# Allegro board RK3588S_Template_LP4XD556P164SD10H2_33X33_2133MHz_H1R0_V10_20220315YWQ.brd (continued)
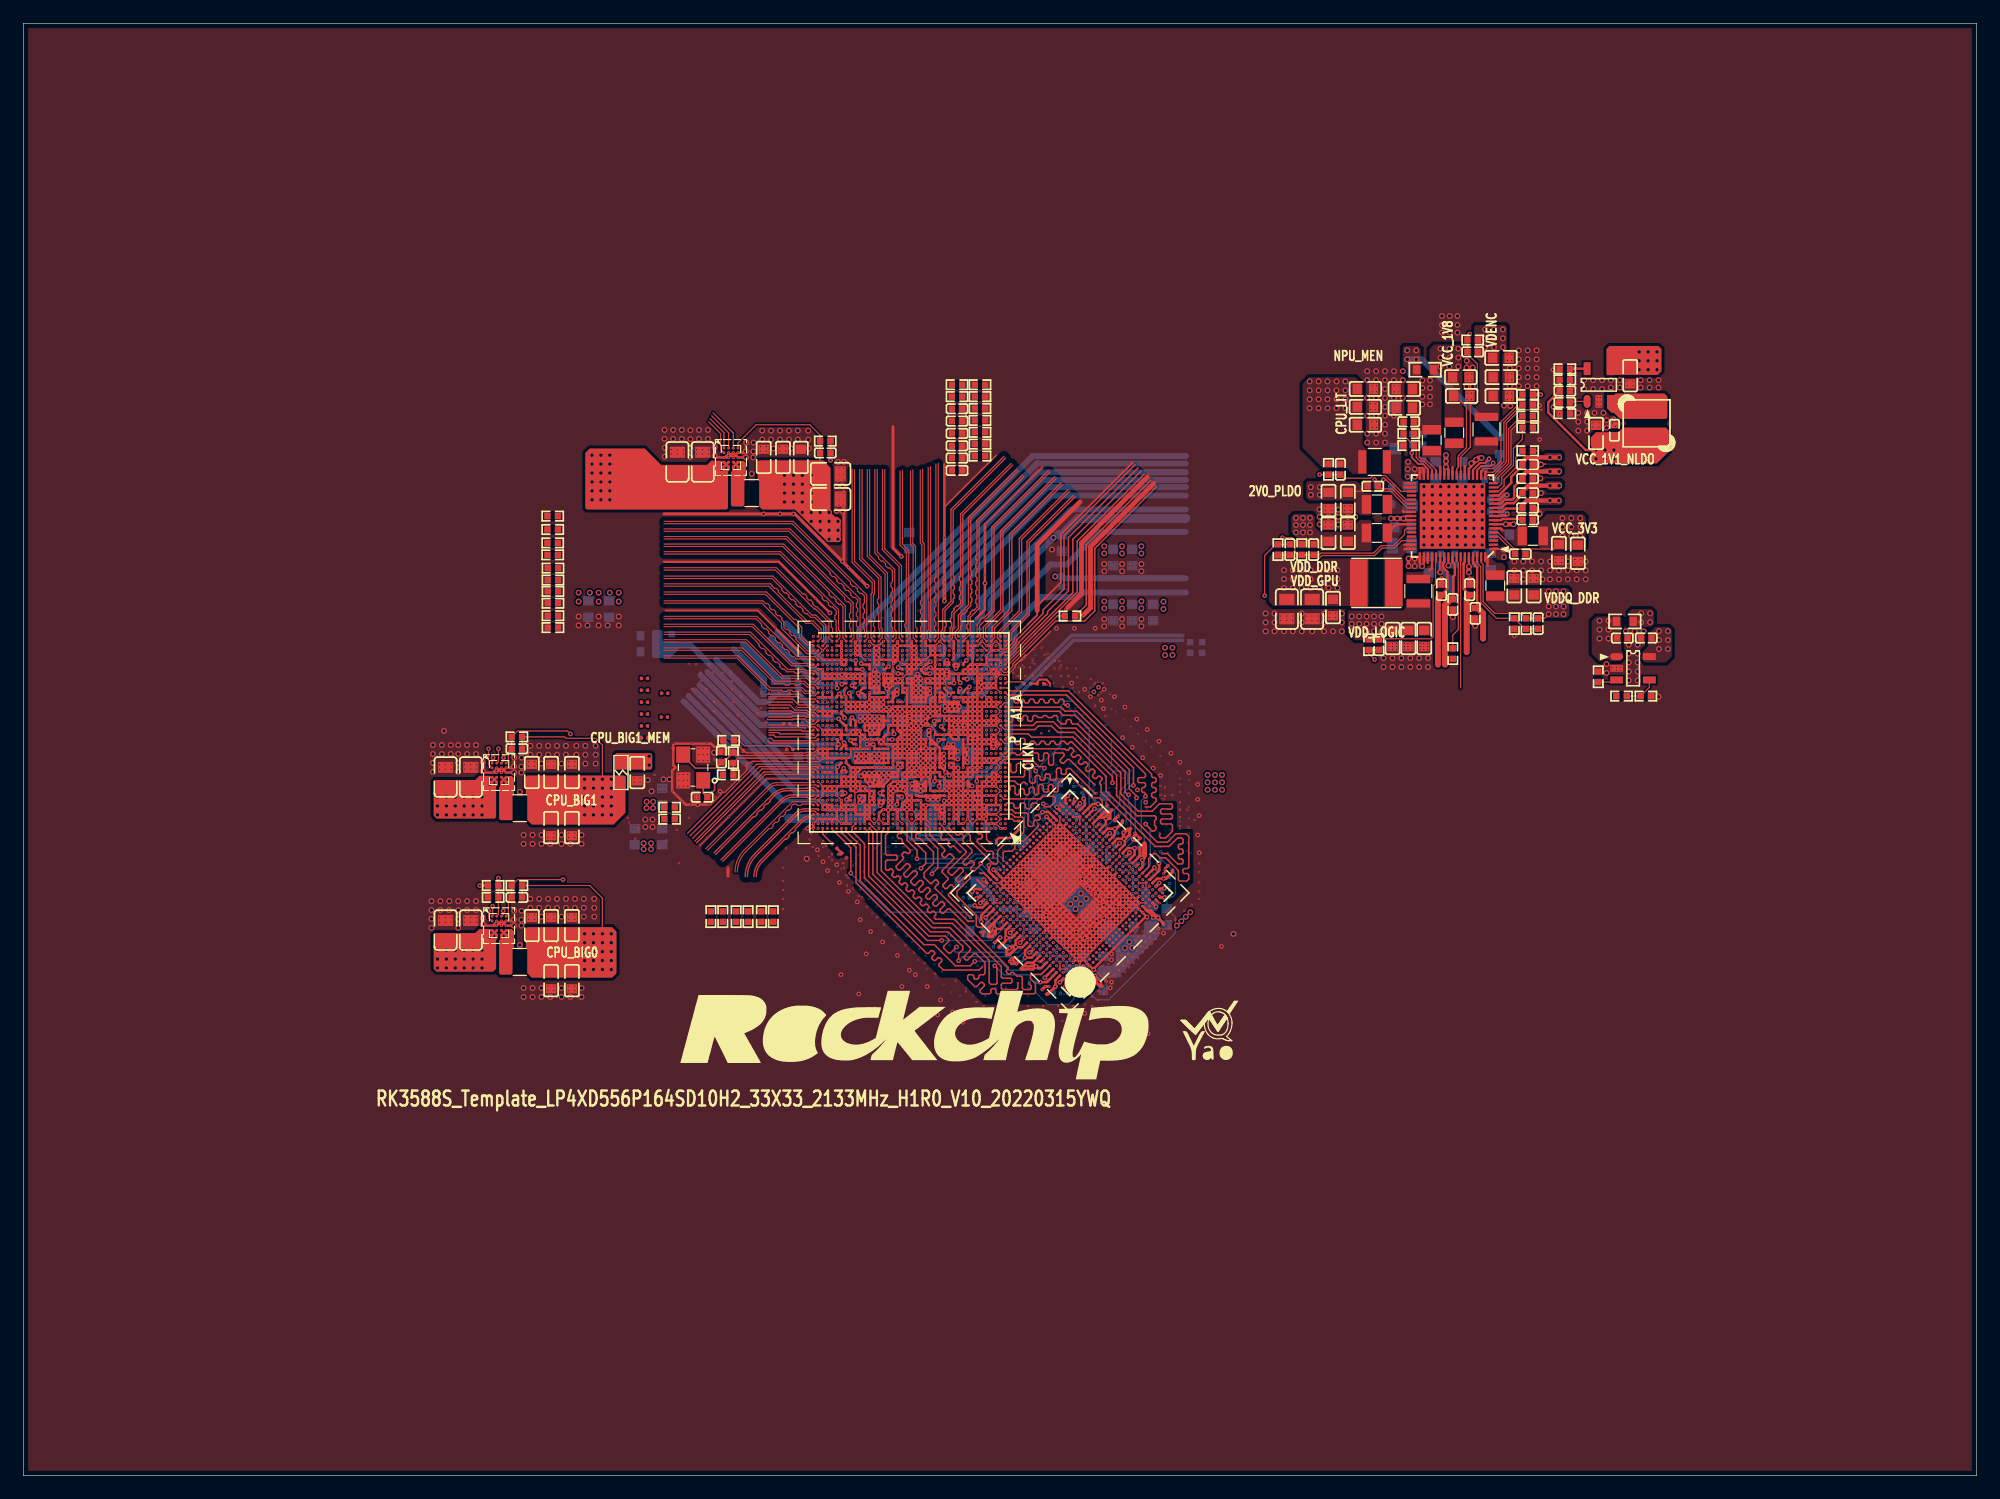
[diagram p0: board, top side]
## Routing (per net, layer and track width the routed paths; a pad name or vN(x,y) marks a point on that pad's centre or on a via; arc(x,y) is an arc through that point) (continued)
  TOP w0.254: v4(69.98,78.11) 70.1,78.23 70.1,84.07 ; v4(69.98,78.11) 65.91,82.17 v4(65.79,82.17) v4(64.64,82.17) v4(63.25,82.17) 54.74,82.17 ; v4(69.98,78.11) v7(70.48,77.6) v7(71.5,76.58) v4(72.09,76) ; v2(93.24,55.93) 93.24,56.05 v7(93.51,56.33) ; v1(60.2,51.94) 60.2,51.23 ; v7(78.69,80.14) v7(78.69,78.99) v7(78.69,77.98) v1(78.69,76.76) ; v4(83.45,45.97) 83.43,45.97 83.31,45.85 83.3,45.85 C3752.2 ; v7(88.84,42.43) v4(88.56,42.15) ; v7(87.63,41.78) v7(87.29,41.78) v7(87.05,41.54) ; v4(75.01,78.54) 74.29,79.25 74.29,89.64 ; v7(96.76,50.35) v4(97.05,50.63)
  TOP w0.305: v4(78.69,74.73) v1(78.69,75.18) v1(78.69,75.56) v1(78.69,75.95) v1(78.69,76.33) v1(78.69,76.76)
  TOP w0.406: 89.22,74.17 90.4,75.35 90.4,79.69 96.03,85.32 ; 90.29,83.2 86.61,79.52 86.61,73.91 ; v1(90.55,73.53) 91.17,74.15 91.17,79.37 96.58,84.78 ; C2251.2 v4(123.57,76.62) ; v4(121.16,76.63) C2249.2
  TOP w0.508: C2253.2 v5(124.04,72.61) ; v5(129.54,82.17) 129.03,82.68 C2263.2 ; C2246.2 v5(122.12,73.36)
  L2-GND1 w0.064: v8(94.11,57.4) 94.13,57.4 95.18,58.46 v4(95.18,58.59) ; v4(80.04,67.74) 80.48,67.74 80.51,67.72 80.78,67.72 80.81,67.74 81.74,67.74 81.76,67.77 v4(81.79,67.77) ; v1(70.14,67.07) 70.08,67.02 70.08,66.52 ; 92.29,54.65 92.53,54.89 v4(92.81,54.89) 92.81,54.61 92.57,54.37 ; v7(71.49,67.7) 70.94,67.15 ; 70.94,67.15 70.74,67.15 70.7,67.19 70.61,67.19 70.56,67.23 70.36,67.23 v1(70.29,67.3) ; 70.94,67.15 70.94,66.76 70.68,66.5 v7(70.29,66.5) ; v7(77.09,69.7) 77.17,69.7 77.42,69.95 ; 86,44.68 85.99,44.69 v4(85.96,44.69) ; 86,44.68 86,44.96 86.24,45.2 ; 86,44.68 86.28,44.68 86.52,44.92 ; 71.68,57.15 71.89,56.94 v1(71.89,56.9) ; 96.43,49.31 96.54,49.2 v8(96.54,49) ; v8(69.44,71.12) 69.49,71.07 v7(69.49,70.9) ; 90.93,56.01 v8(90.93,56.39) 90.64,56.39 90.6,56.34 ; 86.95,44.5 86.95,44.05 v1(86.82,43.92) ; 93.99,52.95 94.23,53.19 94.51,53.19 ; v8(79.28,61.49) 79.34,61.55 80.18,61.55 80.35,61.72 80.4,61.67 80.43,61.7 80.87,61.7 80.93,61.64 ; v1(70.69,65.3) 70.48,65.09 70.48,64.64 70.48,64.63 v8(70.48,64.08) ; 82.14,50.26 81.73,50.67 81.73,51.04 81.79,51.09 81.79,51.21 ; 85.45,46 v7(85.45,45.82) 85.62,45.82 ; v1(83.09,55.7) v7(83.49,55.3) ; v4(94.5,53.23) 94.5,53.2 94.51,53.19 ; 90.03,56.91 90.27,57.15 v4(90.27,57.43) 89.9,57.43 89.7,57.23 ; 84.13,68.29 84.1,68.27 84.1,68.01 83.95,67.86 83.69,67.86 ; v8(80.98,52.46) 81.18,52.66 81.93,52.66 82.15,52.43 82.15,51.4 82.3,51.25 ; 79.17,55.8 79.2,55.8 v7(79.49,56.1) ; v1(72.69,57.3) 72.69,57.25 ; 94.51,53.19 94.51,52.91 94.27,52.67 ; 95.12,51.82 95.3,52 v1(95.3,52.28) 94.66,52.28 ; 93.71,53.23 93.98,53.51 93.98,53.72 v4(93.66,54.04) 93.55,54.04 ; 83.13,48.32 82.95,48.13 v8(82.93,48.13) ; v1(77.89,63.7) 77.89,64.06 78.49,64.66 v8(78.49,64.74) ; v8(87.5,43.18) 87.61,43.18 87.94,43.51 ; 82.05,49.39 v7(82.05,49.22) 82.23,49.22 ; 88.84,42.6 v7(88.84,42.43) 89.01,42.43 ; 84.83,46.62 84.59,46.38 v4(84.3,46.38) 84.3,46.66 84.55,46.9 ; 70.29,61.33 70.54,61.57 70.54,61.84 70.48,61.89 U1000.V34 v7(70.72,62.1) ; v8(69.47,62.99) 69.33,62.85 69.33,62.34 v7(69.09,62.1) ; 74.29,55.7 74.63,56.03 74.64,56.03 74.67,56.06 74.67,56.08 v1(74.68,56.09) 74.68,56.06 74.71,56.03 74.76,56.03 v7(75.09,55.7) ; 85.6,45.34 85.81,45.34 85.96,45.49 ; 93.55,54.04 92.9,54.04 ; 93.55,54.04 93.32,53.81 93.2,53.81 93.16,53.78 ; v8(70.99,64.39) 71.12,64.52 71.12,64.91 71.09,64.94 v1(71.09,65.3) ; 96.05,48.94 96.48,48.94 v8(96.54,49) ; v1(75.89,56.9) 76.2,56.59 ; 77.4,70.33 77.59,70.33 77.73,70.2 77.73,70 77.72,70 77.72,69.9 ; v8(96.54,49) 96.54,48.88 96.44,48.78 96.44,48.16 v4(96,47.72) ; v7(73.49,55.7) v7(73.09,56.1) v7(72.69,55.7) ; 83.41,48.03 83.41,48.03 v8(83.41,47.5) 83.44,47.5 83.7,47.75 ; 67.94,64.03 68.28,63.7 v7(68.29,63.7) ; 96.9,49.5 96.62,49.5 ; v8(70.08,63.98) 69.73,64.33 69.4,64.33 69.33,64.41 69.33,64.6 69.09,64.83 v7(69.09,64.9) ; 82.11,62.72 82.1,62.71 82.48,62.71 v8(82.5,62.68) ; v4(85.15,45.53) 85.15,46.29 ; v7(68.29,70.5) v7(68.69,70.9) ; 95.83,51.1 96.58,51.1 v4(97.05,50.63) 96.76,50.63 96.53,50.4 ; 78.54,69.55 78.69,69.39 v8(78.69,69.3) ; v7(83.49,66.9) 83.47,66.9 ; 95.4,51.54 95.55,51.69 v8(95.91,51.69) ; 73,56.87 73,56.95 ; v8(69.53,72.07) 69.89,71.71 v7(69.89,71.3) ; 91.44,55.5 91.79,55.85 92.08,55.85 v1(91.93,55.7) 91.93,55.65 92.08,55.5 92.08,54.99 92.01,54.93 ; 97.05,50.35 96.82,50.12 ; v1(80.29,55.7) v1(80.69,56.1) ; 67.97,69.37 67.97,69.38 v7(68.29,69.7) 68.29,69.71 67.89,70.1 ; v7(87.15,44.13) 87.32,44.13 ; v1(73.49,56.9) 73.05,56.9 ; 76.25,56.29 76.2,56.29 76.15,56.24 76.15,55.98 75.89,55.72 v7(75.89,55.7)
  L2-GND1 w0.066: 95.08,51.22 95.05,51.22 94.7,51.56 94.7,51.56 ; 95.08,51.22 95.15,51.15 95.15,51.12 95.27,51 95.29,51 95.36,50.93 ; 95.08,51.22 94.78,50.92 ; 95.08,51.22 95.4,51.54 ; 92.01,54.93 91.88,54.79 91.87,54.79 91.69,54.61 ; 84.04,49.23 84.03,49.23 83.77,49.49 83.74,49.49 ; 84.04,49.23 84.04,49.21 84.32,48.93 ; 84.04,49.23 84.32,49.5 v7(84.6,49.5) ; 84.04,49.23 83.75,48.94 ; 85.17,48.09 84.93,48.32 84.93,48.41 ; 85.17,48.09 84.97,47.89 84.97,47.88 84.88,47.8 ; 85.17,48.09 v1(85.45,48.09) 85.45,47.81 ; 95.36,50.93 95.36,50.65 v2(95.35,50.63) ; 95.36,50.93 95.07,50.63 ; 95.36,50.93 95.38,50.93 95.56,51.1 95.83,51.1 ; v7(89.97,54.31) 89.97,54.59 90.26,54.88 ; 87.71,45.54 87.91,45.34 87.91,45.31 87.98,45.24 ; 87.71,45.54 87.43,45.26 ; 87.71,45.54 v7(87.71,45.82) 87.43,45.82 87.15,45.54 ; 87.71,45.54 88,45.82 v7(88.28,45.82) ; v7(87.15,45.26) 86.86,45.26 ; v7(87.15,45.26) 87.15,45.54 ; v7(87.15,45.26) 87.43,45.26 ; v7(87.15,45.26) 87.15,44.97 ; 86.86,45.26 86.52,44.92 ; 86.86,45.26 86.58,45.54 ; 89.98,55.72 v2(90.26,55.72) ; 89.98,55.72 90.26,56.01 ; 89.98,55.72 89.71,55.45 ; 89.98,55.72 90.26,55.44 ; 89.98,55.72 89.69,56.01 ; v2(90.26,55.72) 90.54,55.72 90.87,55.4 ; v2(90.26,55.72) 90.26,55.44 ; v2(90.26,55.72) 90.26,56.01 ; 94.79,50.36 94.77,50.36 94.5,50.63 94.5,50.63 ; 94.79,50.36 94.72,50.29 94.72,50.29 94.5,50.07 v7(94.22,50.07) 94.22,50.35 94.5,50.63 ; 94.79,50.36 94.79,50.34 94.98,50.15 ; 94.79,50.36 95.06,50.63 ; 94.27,52.67 93.93,52.33 ; v7(91.67,54.31) 91.67,54.03 ; v7(91.67,54.31) 91.67,54.55 91.69,54.57 ; v7(91.67,54.31) 91.95,54.31 ; v7(91.67,54.31) 91.39,54.31 ; 91.67,54.03 91.39,53.74 ; 91.67,54.03 91.95,53.74 ; 91.67,54.03 91.39,54.31 ; 92.23,52.89 92.15,52.97 92.15,52.98 91.95,53.18 ; 92.23,52.89 92.24,52.89 92.8,52.33 ; 92.23,52.89 92.44,53.1 ; 92.23,52.89 92.04,52.7 ; 89.14,43.57 89.07,43.65 89.04,43.65 88.84,43.84 v2(88.56,43.84) ; 89.14,43.57 89.13,43.56 v7(89.13,43.28) ; 89.14,43.57 89.39,43.83 ; 94.78,50.92 95.06,50.63 ; 94.78,50.92 v7(94.5,50.92) ; 95.06,50.63 95.07,50.63 ; 91.38,54.88 91.65,54.61 91.69,54.61 ; 91.38,54.88 91.11,55.16 ; 91.38,54.88 91.38,54.87 91.14,54.62 91.07,54.62 ; v2(95.35,50.63) 95.35,50.35 ; v2(95.35,50.63) v1(95.91,50.63) v7(95.91,50.07) ; v2(95.35,50.63) 95.07,50.63 ; 88.28,43.84 88,44.12 88,44.14 ; 88.28,43.84 v2(88.56,43.84) ; 88.28,43.84 87.94,43.51 ; 87.15,44.97 86.95,44.78 86.95,44.5 ; 87.15,44.97 87.34,44.78 87.51,44.78 87.72,44.99 ; 93.37,51.76 93.08,52.05 ; 93.37,51.76 93.65,52.05 ; 93.37,51.76 v7(93.37,51.48) 93.65,51.48 ; 93.08,52.05 93.37,52.33 ; 93.08,52.05 v7(92.8,52.05) 92.8,52.33 ; 96.62,49.5 v7(96.48,49.5) 96.48,49.74 ; 92.8,53.46 92.85,53.46 93.16,53.78 ; 92.8,53.46 92.8,53.46 92.72,53.38 ; 92.8,53.46 92.72,53.54 ; v7(90.26,43.84) 90.26,43.56 89.97,43.28 ; 82.62,49.5 v7(82.9,49.5) ; 82.62,49.5 82.34,49.22 82.23,49.22 ; 82.62,49.5 82.34,49.78 ; v7(82.9,49.5) 82.9,49.78 ; v7(82.9,49.5) 83.18,49.5 ; v7(90.54,54.88) 90.82,54.88 ; v7(90.54,54.88) 90.54,54.59 ; v7(90.54,54.88) 90.54,55.16 ; v7(90.54,54.88) 90.26,54.88 ; 90.82,54.88 91.07,54.62 ; 90.82,54.88 91.11,55.16 ; 94.5,50.63 v7(94.5,50.92) ; 93.93,52.33 v7(93.93,52.05) ; 93.93,52.33 93.65,52.61 ; 90.26,56.01 90.6,56.34 ; 90.26,56.01 v1(90.26,56.29) v7(89.69,56.29) ; 89.39,43.83 89.41,43.84 v1(89.69,43.84) 89.69,43.56 89.68,43.55 ; 89.39,43.83 89.39,43.86 89.19,44.07 89.19,44.19 89.41,44.41 v7(89.41,44.69) ; 89.69,56.57 89.37,56.9 ; 89.69,56.57 90.03,56.91 ; 89.69,56.57 v7(89.69,56.29) ; 89.37,56.9 89.15,56.9 ; 89.37,56.9 89.45,56.9 89.7,57.15 89.7,57.23 ; v2(83.47,48.94) 83.47,48.65 ; v2(83.47,48.94) 83.75,48.94 ; v2(83.47,48.94) 83.47,49.22 ; 83.47,48.65 83.13,48.32 ; 83.47,48.65 83.71,48.41 83.79,48.41 ; 92.52,53.74 92.81,54.04 92.9,54.04 ; 92.52,53.74 92.72,53.54 ; 92.52,53.74 v7(92.24,53.74) ; 89.69,56.01 89.41,55.72 ; 89.69,56.01 v7(89.69,56.29) ; 84.65,48.13 84.55,48.13 84.4,48.29 ; 84.65,48.13 84.93,48.41 ; 84.65,48.13 84.65,48.03 84.68,48 84.68,48 84.8,47.89 84.8,47.88 84.88,47.8 ; 84.65,48.13 84.4,47.89 84.4,47.72 84.52,47.61 84.6,47.61 84.6,47.6 84.6,47.52 ; 89.68,43.55 89.75,43.48 89.77,43.48 89.97,43.28 ; 89.68,43.55 89.41,43.28 ; 84.93,48.41 84.84,48.41 84.6,48.65 ; 84.93,48.41 85.17,48.65 v7(85.45,48.65) ; 96.48,49.79 96.2,50.07 ; 96.48,49.79 96.48,49.74 ; 96.48,49.79 96.82,50.12 ; 96.2,50.07 96.53,50.4 ; 96.2,50.07 v7(95.91,50.07) ; 83.74,49.49 83.74,49.52 83.47,49.79 ; 83.74,49.49 83.47,49.22 ; 83.74,49.49 84.04,49.78 v7(84.32,49.78) ; 89.41,56.29 89.13,56.57 ; 89.41,56.29 89.13,56.01 ; 89.41,56.29 v7(89.69,56.29) ; 89.13,56.57 88.84,56.29 ; 89.13,56.57 v7(89.13,56.86) ; 83.75,48.94 83.75,48.94 ; 83.75,48.94 83.47,49.22 ; 83.75,48.94 84.04,48.65 ; 96.05,48.94 v7(95.91,48.94) 95.91,49.22 ; 84.88,47.8 v7(84.88,47.52) ; 89.71,55.45 89.71,55.43 89.97,55.17 89.97,55.15 ; 89.71,55.45 89.68,55.45 89.41,55.72 ; 89.71,55.45 89.41,55.16 v7(89.41,54.88) ; 90.78,55.4 91.11,55.73 91.11,55.82 90.93,56.01 ; 90.78,55.4 90.54,55.16 ; 90.78,55.4 90.87,55.4 ; 86.01,46.67 86.02,46.67 86.58,46.11 ; 86.01,46.67 85.93,46.75 85.93,46.76 85.73,46.96 ; 86.01,46.67 85.45,46.11 85.45,46 ; 86.01,46.67 86.58,47.24 v7(86.58,47.52) ; 91.39,53.74 91.67,53.46 ; 91.39,53.74 v1(91.11,53.74) 91.11,54.03 ; 89.97,43.28 v7(90.26,43.28) ; 89.97,43.28 89.69,43 ; 86.58,45.54 v7(86.58,45.82) ; 86.58,45.54 86.24,45.2 ; v7(86.58,45.82) 86.86,45.82 ; v7(86.58,45.82) 86.58,46.11 ; v7(86.58,45.82) 86.3,45.82 ; 82.9,50.35 83.19,50.07 ; 82.9,50.35 82.62,50.07 ; 82.9,50.35 v1(82.9,50.63) ; 83.19,50.07 82.9,49.78 ; 83.19,50.07 v7(83.47,50.07) 83.47,49.79 ; v7(84.88,47.52) 84.88,47.24 ; v7(84.88,47.52) 84.6,47.52 ; v7(84.88,47.52) 85.16,47.52 ; 83.79,48.41 83.41,48.03 ; 83.79,48.41 83.83,48.37 83.83,48.29 83.99,48.13 84.08,48.13 ; 83.79,48.41 83.95,48.57 83.95,48.57 84.04,48.65 ; 91.69,54.61 91.39,54.31 ; 91.69,54.61 91.69,54.57 ; 91.39,54.31 91.11,54.03 ; 91.39,54.31 91.07,54.62 ; 95.91,49.78 95.63,49.5 ; 95.91,49.78 96.24,49.45 96.29,49.45 96.43,49.31 ; 95.91,49.78 95.91,49.79 ; 95.63,49.5 95.91,49.22 95.91,49.22 ; 95.63,49.5 v1(95.35,49.5) 95.35,49.78 ; 91.11,55.16 90.87,55.4 ; 91.11,55.16 91.44,55.5 ; 84.04,48.65 84.23,48.45 84.23,48.29 ; 84.04,48.65 84.04,48.65 ; 88.84,56.29 89.13,56.01 ; 88.84,56.29 v1(88.56,56.29) ; 89.13,56.01 v7(89.13,55.72) 89.41,55.72 ; 84.23,48.29 84.32,48.37 ; 84.23,48.29 84.23,48.29 84.4,48.29 ; 84.23,48.29 84.08,48.13 ; 89.97,55.15 90.26,55.44 ; 89.97,55.15 89.69,54.87 v7(89.69,54.59) ; 89.97,55.15 89.98,55.15 90.26,54.88 ; 90.26,55.44 90.26,55.44 ; 90.26,55.44 90.54,55.16 ; 91.69,54.57 91.95,54.31 ; 93.09,52.61 v7(93.37,52.61) ; 93.09,52.61 92.8,52.33 ; 93.09,52.61 92.6,53.1 ; v7(93.37,52.61) 93.37,52.89 93.71,53.23 93.56,53.38 93.26,53.38 93.09,53.2 93.09,53.18 92.89,52.98 92.24,52.33 v7(91.95,52.33) 91.95,52.61 92.04,52.7 ; v7(93.37,52.61) 93.37,52.33 ; v7(93.37,52.61) 93.65,52.61 ; 93.65,52.05 93.7,52.05 ; 93.65,52.05 93.37,52.33 ; 93.7,52.05 v7(93.93,52.05) ; 93.7,52.05 93.93,51.82 ; v7(84.32,48.65) 84.32,48.37 ; v7(84.32,48.65) 84.32,48.93 ; v7(84.32,48.65) 84.04,48.65 ; v7(84.32,48.65) 84.6,48.65 ; 84.32,48.37 84.32,48.37 84.4,48.29 ; 92.72,53.38 92.6,53.26 ; 92.72,53.38 92.72,53.54 ; 92.6,53.26 92.58,53.24 92.58,53.12 ; 92.6,53.26 92.6,53.26 92.44,53.1 ; 87.72,44.99 87.72,44.96 87.99,44.69 ; 87.72,44.99 87.98,45.24 ; 87.72,44.99 87.66,45.06 87.63,45.06 87.43,45.26 ; v7(85.45,46.96) 85.45,46.67 ; v7(85.45,46.96) 85.16,46.96 ; v7(85.45,46.96) 85.73,46.96 ; v7(85.45,46.96) 85.45,47.23 ; 85.45,46.67 85.15,46.38 85.15,46.29 ; 85.45,46.67 85.45,46.67 86.3,45.82 ; 87.99,44.69 87.75,44.45 ; 87.99,44.69 v7(88.28,44.69) ; 87.75,44.45 87.43,44.13 87.32,44.13 ; 87.75,44.45 87.75,44.36 87.79,44.33 87.79,44.33 87.98,44.14 88,44.14 ; 85.62,45.82 85.73,45.82 86.86,46.96 v7(86.86,47.24) ; 94.86,51.56 94.86,51.56 94.7,51.56 ; 94.86,51.56 94.5,51.2 ; 94.86,51.56 95.12,51.82 ; 82.62,50.07 82.9,49.78 ; 82.62,50.07 v7(82.34,50.07) ; 85.45,47.23 85.36,47.32 85.36,47.32 85.25,47.44 85.24,47.44 85.16,47.52 ; 85.45,47.23 85.53,47.32 85.53,47.32 85.65,47.44 85.65,47.44 85.74,47.52 ; 95.11,50.13 95.13,50.13 95.26,50.26 95.26,50.27 95.35,50.35 ; 95.11,50.13 95,50.13 94.98,50.15 ; 95.11,50.13 95.11,50.11 94.78,49.78 v7(94.5,49.78) ; 95.63,50.07 95.35,50.35 ; 95.63,50.07 95.35,49.78 ; 95.63,50.07 v7(95.91,50.07) ; 95.63,50.07 95.91,49.79 ; 91.07,54.62 91.02,54.57 91.02,54.51 90.9,54.39 90.84,54.39 90.79,54.34 ; v7(92.24,53.74) 92.24,54.03 92.56,54.35 92.57,54.35 92.57,54.37 ; v7(92.24,53.74) 91.95,53.74 ; v7(92.24,53.74) 92.24,53.46 ; 88,44.14 87.7,43.83 v8(87.7,43.78) ; 88,44.14 88.28,44.41 ; 91.95,53.18 v1(91.67,53.18) 91.67,53.46 ; 91.95,53.18 92.24,53.46 ; 87.98,45.24 88.05,45.17 88.08,45.17 88.27,44.98 88.28,44.98 ; 87.98,45.24 88.28,45.54 v7(88.56,45.54) 88.56,45.26 88.28,44.98 ; 94.98,50.15 95.35,49.78 ; 94.48,51.74 94.53,51.74 94.7,51.56 ; 94.48,51.74 94.48,51.79 94.21,52.05 ; 94.48,51.74 94.3,51.56 ; v7(94.5,50.92) 94.5,51.2 ; v7(94.5,50.92) 94.22,50.92 93.95,51.19 93.92,51.19 ; 85.73,46.96 86.01,47.24 v1(86.01,47.52) 85.74,47.52 ; 92.24,53.46 92.58,53.12 ; 91.95,53.74 91.67,53.46 ; 82.14,50.26 v7(82.34,50.07) ; v7(82.34,50.07) 82.34,49.78 ; 87.15,45.54 86.86,45.82 ; 96.48,49.74 96.15,49.42 96.11,49.42 95.91,49.22 ; 88.28,44.98 v7(88.28,44.69) ; 88.83,44.4 88.76,44.47 88.76,44.49 88.56,44.69 88.56,44.69 ; 88.83,44.4 88.56,44.13 ; 88.83,44.4 89.13,44.69 v7(89.13,44.98) 88.84,44.98 88.56,44.69 ; 85.16,46.96 84.88,47.24 ; 85.16,46.96 84.83,46.62 ; 84.88,47.24 84.55,46.9 ; 93.92,51.19 93.65,50.92 v7(93.37,50.92) ; 93.92,51.19 94.13,51.4 94.3,51.4 ; 93.92,51.19 93.65,51.46 93.65,51.48 ; 86.58,46.11 86.86,46.39 v7(87.15,46.39) 87.15,46.11 86.86,45.82 ; 89.69,43 89.41,43.28 89.41,43.28 ; 89.69,43 v7(89.69,42.71) 89.41,42.71 ; 90.79,54.34 90.93,54.2 90.93,54.2 91.11,54.03 ; 90.79,54.34 90.54,54.59 ; 90.79,54.34 90.79,54.28 90.54,54.03 v7(90.26,54.03) 90.26,54.31 90.54,54.59 ; v2(88.56,43.84) 88.56,44.13 ; 92.44,53.1 92.6,53.1 ; 93.99,52.95 93.65,52.61 ; 94.5,51.2 94.3,51.4 ; 91.95,54.31 92.29,54.65 ; 92.04,52.7 91.59,52.7 v1(91.39,52.9) ; 82.34,49.78 82.05,49.5 82.05,49.39 ; 92.6,53.1 92.58,53.12 ; 85.16,47.52 85.24,47.61 85.25,47.61 85.36,47.72 85.36,47.73 85.45,47.81 ; 83.7,47.75 84.08,48.13 ; v7(89.13,43.28) 89.13,43 ; v7(89.13,43.28) 89.41,43.28 ; 89.13,43 88.84,42.71 88.84,42.6 ; 89.13,43 89.41,42.71 ; v7(95.91,50.07) 95.91,49.79 ; 93.93,51.82 v7(93.93,52.05) ; 93.93,51.82 93.93,51.77 ; v7(93.93,52.05) 94.21,52.05 ; 83.47,49.22 83.18,49.5 ; v7(88.28,44.69) 88.56,44.69 ; v7(88.28,44.69) 88.28,44.41 ; 89.41,42.71 89.13,42.43 89.01,42.43 ; v7(84.88,49.22) 84.6,49.22 84.32,48.93 ; 88.28,44.41 88.56,44.13 ; 84.6,47.52 84.52,47.44 84.52,47.44 84.4,47.32 84.4,47.32 83.57,46.48 83.57,46.23 ; 93.65,51.48 93.93,51.77 ; 90.54,54.59 90.26,54.88 ; 86.3,45.82 85.96,45.49 ; 83.47,49.79 83.18,49.5 ; v7(85.17,48.94) 84.88,48.94 84.6,48.65 ; 94.3,51.4 94.3,51.56 ; 94.3,51.56 94.14,51.56 93.93,51.77 ; 85.45,47.81 85.45,47.77 85.5,47.72 85.53,47.72 85.65,47.6 85.65,47.58 85.7,47.52 85.74,47.52 ; 94.21,52.05 94.45,52.28 94.66,52.28
  L2-GND1 w0.076: 79.6,67.31 79.91,67.61 79.91,67.67 ; 72.69,57.25 73.05,56.9 ; 71.22,57.1 71.27,57.15 71.68,57.15 ; 78.54,69.55 78.54,69.86 78.56,69.88 ; v8(79.65,48.64) 80.27,48.64 81.7,50.07 v7(82.34,50.07)
  L2-GND1 w0.102: 70.29,61.35 v1(70.29,61.3) ; v1(72.29,60.5) 72.32,60.53 72.32,62.07 v1(72.29,62.1) 72.3,62.1 v8(72.9,62.1) ; v7(76.69,56.5) 76.6,56.59 76.2,56.59 ; 77.42,58.16 77.15,58.16 ; 96.9,49.4 96.94,49.4 97.32,49.02 97.32,48.98 98.04,48.26 v1(99.19,48.26) ; v1(91.31,40.13) 91.31,40.67 89.69,42.29 v7(89.69,42.71) ; 79.25,69.44 79.3,69.49 79.3,69.59 79.28,69.61 79.28,69.73 79.3,69.76 79.3,69.85 ; 70.41,67.81 70.41,67.35 ; 70.41,67.35 v1(70.14,67.07) ; 70.41,67.35 70.44,67.35 ; 77.07,66.78 v8(77.07,67.06) 77.07,67.3 v8(77.06,67.31) 77.06,67.67 v7(77.09,67.7) ; v1(83.09,58.9) 83.49,58.5 v7(83.49,58.5) 83.95,58.5 84.1,58.65 ; 76.4,59.28 76.3,59.18 76.3,58.5 76.2,58.39 ; v8(90.27,59.87) 90.24,59.83 90.24,57.47 v4(90.27,57.43) ; 78.29,65.83 v1(78.29,65.7) ; v7(73.89,58.5) 73.89,58.7 72.97,59.61 v8(72.47,59.61) ; v8(80.24,62.12) 80.24,62.05 80.22,62.03 80.24,62 80.24,61.5 80.23,61.49 80.23,61.2 80.24,61.19 80.24,60.88 80.22,60.85 80.24,60.83 80.12,60.71 80.04,60.71 v8(80.01,60.73) ; v8(81.1,51.56) 81.45,51.21 81.88,51.21 81.92,51.25 82.37,51.25 v4(82.89,51.78) ; 84.1,58.65 84.1,58.49 84.39,58.19 84.43,58.19 ; 84.1,58.65 84.12,58.67 84.12,59.03 83.95,59.21 ; 83.09,60.06 v1(83.09,60.1) v7(83.49,60.5) ; v7(73.89,58.9) 73.89,58.95 ; v8(77.77,61.9) 77.83,61.95 77.83,61.98 77.93,62.08 79.09,62.08 v8(79.28,61.89) 79.31,61.89 79.78,62.36 v8(80.01,62.36) ; v1(82.29,66.5) 82.29,66.51 v1(81.89,66.9) v1(82.29,67.3) ; 84.48,60.45 84.64,60.3 ; v1(83.08,64.92) 83.11,64.95 83.14,64.95 v7(83.49,65.3) ; 86,67.47 85.62,67.47 84.79,68.3 84.79,68.53 ; v8(81.41,47.12) 81.41,47.41 82.04,48.04 82.33,48.04 82.9,48.61 v1(82.9,48.94) ; v7(83.5,61.29) 83.5,61.69 v7(83.09,62.1) ; v1(73.89,66.5) 73.97,66.42 75.01,66.42 v7(75.49,66.9) ; 74.12,69.77 74.07,69.82 73.76,69.82 ; v4(95.88,57.53) 95.88,57.53 95.52,57.89 95.52,58.25 v4(95.18,58.59) ; v1(71.49,63.7) 71.87,64.08 73.35,64.08 73.41,64.14 ; v1(74.29,57.7) 74.45,57.86 74.65,57.86 74.98,57.53 75.32,57.53 v1(75.49,57.7) ; 79.13,60.39 79.03,60.49 78.31,60.49 78.29,60.47 78.26,60.5 78.24,60.47 ; v1(83.09,63.3) v7(83.49,63.7)
  L2-GND1 w0.152: v7(82.9,49.5) v1(82.9,48.94) v2(83.47,48.94) ; 77.07,66.78 77.07,66.63 77.06,66.62 ; v4(97.05,50.63) 97.05,50.05 97.33,49.77 99.96,49.77 v1(100.46,49.28) ; v4(90.68,39.5) 89.39,40.78 89.39,41.9 89.17,42.12 89.16,42.12 v7(88.84,42.43) ; v8(90.17,42.65) 90.26,42.74 v7(90.26,43.28) ; v7(89.13,43.28) v1(88.56,43.28) v2(88.56,43.84)
  L3-S1 w0.064: 78.74,49.45 78.82,49.53 79.12,49.53 ; v2(75.11,66.9) 75.11,66.71 75.62,66.2 v2(75.62,66.16) ; 85.36,42.33 86.05,42.33 v8(86.08,42.29) 86.21,42.29 v2(86.36,42.14) 86.55,42.33 86.57,42.33 86.77,42.52 ; 85.36,42.33 v8(85.27,42.42) 85.18,42.33 ; 85.36,42.33 85.18,42.33 ; 97.54,57.53 v8(97.54,56.9) 97.54,56.01 v8(97.41,55.88) 97.28,55.75 v8(96.91,55.75) 96.85,55.69 96.85,55.14 ; 97.54,57.53 97.54,57.78 ; 97.54,57.53 v8(97.66,57.66) 97.54,57.78 ; v8(70.08,63.98) 70,63.98 69.63,64.36 69.52,64.36 69.34,64.54 69.34,64.8 70.24,65.7 v1(70.29,65.7) ; 84.71,68.31 v1(84.96,68.31) v1(85.6,68.31) v1(86.23,68.31) ; v2(97.59,54.48) 97.82,54.48 v8(97.92,54.38) v8(97.92,54.74) ; 77.03,50.25 80.26,47.01 v8(80.26,46.99) 80.29,46.99 80.84,46.44 82.26,46.44 v8(82.42,46.61) 82.42,46.73 82.49,46.79 ; v8(88.02,66.16) 88.02,66.17 ; 88.02,66.17 87.94,66.25 v2(87.73,66.25) 87.81,66.17 88.02,66.17 ; 85.27,56.82 85.21,56.82 ; 85.27,56.82 v8(85.24,56.85) 85.21,56.82 ; 85.27,56.82 85.68,56.82 ; 85.21,56.82 84.85,56.82 84.58,57.09 84.58,58.04 v8(84.33,58.29) v8(84.07,58.55) ; v2(70.2,51.59) 70.2,51.84 v1(70.1,51.94) 70.1,52.3 v1(70.08,52.32) 70.1,52.35 70.1,52.5 v2(70.22,52.61) ; v8(92.84,58.8) v2(93.09,58.55) 92.94,58.55 v8(92.81,58.42) ; v2(85.65,57.64) 85.57,57.72 85.57,57.88 84.18,59.26 83.53,59.26 ; v2(85.65,57.64) 85.72,57.72 v8(85.72,57.94) ; v2(85.65,57.64) 85.83,57.46 85.83,56.88 ; 85.83,56.88 85.76,56.82 85.68,56.82 ; 85.83,56.88 85.83,56.87 v8(85.72,56.77) 85.68,56.82 ; 96.85,55.14 v8(96.82,55.12) v8(96.82,54.36) v8(96.82,53.72) 96.82,53.16 ; 96.85,55.14 96.85,53.14 ; v1(83.09,71.3) 82.8,71.01 82.8,70.61 ; v2(75.84,51.28) 75.69,51.44 v8(75.69,51.56) ; v8(74.29,49.62) 74.29,49.78 v8(74.24,49.83) ; v8(74.29,49.62) 73.97,49.62 ; v8(74.29,49.62) 74.24,49.67 74.03,49.67 ; v8(75.34,52.45) 75.34,52.2 v2(75.39,52.15) 75.39,51.91 75.48,51.82 ; v3(81.53,43.56) 81.77,43.79 v2(81.77,43.81) 81.79,43.84 v8(81.79,44.2) ; 85.18,42.33 84.72,42.33 v8(84.62,42.42) 84.55,42.35 84.55,41.76 84.29,41.49 82.36,41.49 82.09,41.76 82.09,42.49 v8(82.02,42.56) 81.91,42.67 v8(81.34,42.67) 81.34,42.86 81.1,43.1 80.93,43.1 80.52,43.51 v2(80.3,43.51) 80.4,43.61 80.4,45.09 79.82,45.67 79.05,45.67 78.99,45.74 78.99,45.81 v2(78.96,45.83) ; v2(87.12,67.44) 87.3,67.44 87.4,67.54 v1(87.4,67.56) ; v8(84.07,58.55) 84.07,58.47 84.35,58.19 ; v8(84.07,58.55) 83.95,58.67 83.34,58.67 83.14,58.88 ; v8(84.07,58.55) 84.07,58.62 84.1,58.65 ; 83.53,59.26 83.47,59.26 ; 83.53,59.26 v1(83.49,59.3) U1000.L3 v1(83.09,59.3) 82.76,59.3 v1(82.76,59.31) 82.3,59.31 v1(82.29,59.3) ; 74.09,49.74 74.19,49.83 v8(74.24,49.83) ; 74.09,49.74 74.15,49.74 v8(74.24,49.83) ; 74.09,49.74 74.03,49.67 ; v2(95.12,57.4) 95.12,57.28 v8(95.28,57.12) ; v2(74.98,50.8) 74.85,50.92 74.85,51.25 ; 97.54,57.78 v1(97.54,58.07) 97.01,58.59 97.01,58.78 v1(97.16,58.93) v4(97.16,59.81) ; v8(90.04,61.85) 90.25,61.65 v2(90.25,61.47) ; v2(89.44,66.78) 89.28,66.78 v8(89.15,66.65) ; 73.97,49.62 v2(73.91,49.56) ; 73.97,49.62 74.03,49.67 ; 86.74,60.45 86.96,60.23 v2(86.96,60.03) ; v2(84.43,71.12) 84.24,70.93 83.82,70.93 83.5,70.61 82.8,70.61 ; v1(86.23,69.47) 86.27,69.43 87.14,69.43 87.2,69.49 v2(87.2,69.72) ; v8(80.44,47.75) 80.44,47.65 80.66,47.43 ; v8(80.44,47.75) 80.66,47.97 ; v8(80.44,47.75) 80.44,48.25 ; v8(77.98,45.8) 77.93,45.75 77.31,45.75 v8(77.22,45.85) ; v2(73.79,64.24) 73.77,64.21 73.41,64.14 ; v2(86.96,60.03) 86.87,60.13 86.87,60.39 v8(86.81,60.45) 86.71,60.55 86.16,60.55 v2(86.05,60.44) ; v2(86.96,60.03) 87.53,60.03 ; v2(86.96,60.03) 87.05,59.94 v8(87.26,59.94) 87.44,59.94 87.53,60.03 ; v1(88.09,68.96) 88.31,69.19 v2(88.31,69.22) ; v2(87.09,55.63) 87.09,55.28 v8(87.12,55.24) ; v8(77.18,48.75) 76.98,48.95 v2(76.76,48.95) 76.73,48.95 v8(76.5,48.71) ; v2(81.22,44.98) 81.2,44.96 v8(80.9,44.96) ; v2(73.55,68.12) 73.55,68.12 73.76,68.32 v4(73.9,68.32) ; 74.74,52.75 v8(74.83,52.83) 74.9,52.9 74.9,53.18 74.74,53.03 74.74,52.75 ; 74.74,52.75 74.74,51.52 74.98,51.29 v8(74.98,51.13) 74.85,51.25 ; v2(84.3,51.82) 83.92,52.2 v8(83.82,52.2) v2(83.5,52.2) ; v8(77.34,49.78) 77.22,49.91 v8(77.22,50.04) ; v2(87.5,61.65) 87.3,61.86 v8(87.3,61.93) ; v2(87.5,61.65) 87.56,61.65 v3(87.76,61.85) ; v2(87.5,61.65) 87.5,61.99 ; v8(72.19,53.84) 72.29,53.94 v2(72.29,54.13) ; v8(91.82,59.05) v2(91.82,58.67) ; v2(89.72,65.82) 89.83,65.71 v8(90,65.71) ; v1(88.8,67.36) 88.63,67.36 v2(88.52,67.47) ; v8(69.47,62.99) 69.33,62.85 69.33,62.24 69.41,62.16 70.25,62.16 70.26,62.17 v8(70.33,62.1) ; v2(85.34,43.58) 85.36,43.56 v8(85.72,43.56) ; 74.85,51.25 v8(74.85,51.38) ; v6(91.95,51.31) 92.01,51.31 ; v8(70.48,64.08) 70.48,64.09 70.48,65.09 v1(70.69,65.3) ; v2(89.13,60.27) 88.97,60.43 v8(88.77,60.43) 88.77,60.43 v2(88.38,60.43) ; 76.3,52.2 76.46,52.2 v3(76.58,52.32) ; v8(87.88,59.94) 87.78,60.05 v2(87.55,60.05) 87.53,60.03 ; v8(91.07,63.24) 91.07,63.24 91.04,63.27 v8(90.42,63.27) v8(89.53,63.27) v8(88.9,63.27) 88.85,63.22 88.18,63.22 v8(88.14,63.27) 88.11,63.24 87.28,63.24 v8(87.25,63.27) 87.2,63.22 86.62,63.22 86.57,63.27 v8(86.33,63.27) ; v8(82.85,58.24) 83,58.1 v2(83.12,58.1) ; v2(84.81,57.64) 84.71,57.74 v8(84.71,57.99) ; v8(85.5,62.43) 85.31,62.62 ; 85.31,62.62 v2(85.31,62.68) ; 85.31,62.62 85.31,62.39 85.34,62.36 ; v1(71.09,65.3) 71.09,64.91 71.1,64.9 71.1,64.5 v8(70.99,64.39) ; v8(76.45,50.8) 76.45,50.49 v2(76.52,50.42) v8(76.83,50.42) ; v8(89.41,60.43) 89.82,60.43 v2(89.88,60.49) ; 82.8,70.61 v1(82.69,70.5) ; v8(71.63,52.7) 71.63,52.65 v2(71.42,52.44) 71.37,52.48 v8(71.37,52.83) ; v8(86.07,43.14) 86.15,43.14 ; v2(95.88,54.99) v8(96.14,54.74) v8(96.14,55.24) v2(95.88,54.99)
  L3-S1 w0.066: v2(95.35,50.63) 95.35,50.92 95.12,51.15 95.12,51.25 95.35,51.49 95.5,51.49 v2(95.55,51.54) ; 79,46.83 79,46.93 v8(77.18,48.75) ; 79,46.83 76.95,48.88 76.82,48.88 v2(76.76,48.95) 76.76,49.17 75.93,50 75.93,50.39 75.66,50.66 75.66,51.1 v2(75.84,51.28) ; 79,46.83 79.64,46.18 80.03,46.18 80.52,45.69 81.77,45.69 v8(81.87,45.59) 81.96,45.5 81.96,44.79 ; 96.82,53.16 96.82,52.98 v8(96.8,52.96) ; 81.53,43.39 81.31,43.61 ; 81.53,43.39 81.72,43.2 84.38,43.2 84.57,43.01 85.93,43.01 ; 81.53,43.39 v3(81.53,43.56) 81.49,43.61 81.31,43.61 ; 81.31,43.61 81.14,43.61 80.95,43.8 80.95,44.12 81.11,44.28 81.57,44.28 81.66,44.2 v8(81.79,44.2) 81.79,44.32 81.96,44.49 81.96,44.62 ; 86.84,43.89 86.99,43.74 v8(86.99,43.6) 86.99,43.53 86.84,43.38 ; 86.84,43.89 86.84,43.38 ; 86.84,43.89 v1(86.82,43.92) ; v8(79.76,48.89) 79.65,49 79.65,49.04 ; 81.96,44.79 81.96,44.62 ; 81.96,44.79 v8(82.04,44.7) 81.96,44.62 ; 96.13,52.63 96.13,52.82 v8(96.14,52.83) v8(96.14,53.21) 96.16,53.24 v8(96.16,53.72) 96.22,53.78 ; 96.13,52.63 96.22,52.73 96.22,53.78 ; 96.13,52.63 95.74,52.25 95.33,52.25 v1(95.3,52.28) ; 85.93,43.01 86.44,43.01 v8(86.49,43.05) ; 85.93,43.01 v8(86.07,43.14) ; v8(96.22,56.56) 96.22,55.33 ; 96.22,55.33 v8(96.14,55.24) ; 96.22,55.33 96.22,54.65 ; v8(86.49,43.05) 86.4,43.14 86.15,43.14 ; v8(86.49,43.05) 86.51,43.05 86.84,43.38 ; v2(77.63,50.9) 78.49,50.04 v8(78.49,50.04) v3(78.49,49.91) 78.74,49.66 ; 80.03,48.66 v8(80.66,48.03) 80.66,47.43 80.98,47.12 v8(81.41,47.12) 81.5,47.02 82,47.02 82.55,47.57 v2(82.55,48.06) ; 80.03,48.66 79.67,48.66 ; 80.03,48.66 79.65,49.04 ; 87.4,43.16 87.48,43.16 v8(87.5,43.18) 87.69,43.37 87.69,43.45 ; 87.4,43.16 87.1,42.86 86.77,42.52 ; 87.4,43.16 87.69,43.45 ; 78.74,49.66 78.74,49.45 ; 78.74,49.66 78.82,49.58 79.07,49.58 79.12,49.53 79.17,49.53 79.65,49.04 ; v8(96.14,54.74) 96.22,54.65 ; 96.22,54.65 96.22,53.78 ; v1(92.24,51.48) 92.19,51.48 92.02,51.31 92.01,51.31 ; v8(95.91,51.69) 96.01,51.79 96.01,51.8 96.85,52.63 96.85,53.14 ; v2(91.95,56.01) 92.08,56.13 92.08,56.2 92.5,56.63 v2(92.57,56.63) ; 87.69,43.45 v2(87.69,43.48) ; v2(83.19,47.27) 83.19,47.27 83.06,47.14 v8(82.91,47.14) 82.83,47.14 82.49,46.79 ; v2(93.24,55.93) 93.24,55.79 v8(93.37,55.65) 93.37,55.8 v2(93.24,55.93)
  L3-S1 w0.076: 70.29,61.35 v1(70.29,61.3) 70.53,61.53 v8(70.53,61.98) ; 85.52,61.72 v8(85.6,61.8) 85.67,61.72 ; 85.52,61.72 85.67,61.72 ; 85.52,61.72 85.04,61.72 ; 68.75,55.85 68.78,55.85 69.19,56.26 ; 68.75,55.85 68.75,56.04 68.71,56.08 ; 68.75,55.85 68.55,55.65 68.3,55.65 68.3,55.65 ; 81.65,55.14 v2(81.65,54.77) 81.54,54.65 80.48,54.65 80.23,54.9 v8(80.23,55.04) ; 84.99,62.36 85.42,62.36 v8(85.5,62.43) 85.57,62.36 86.08,62.36 ; 84.99,62.36 84.58,62.36 v8(84.35,62.59) v8(83.95,62.59) 83.72,62.59 ; 84.99,62.36 v2(85.31,62.68) ; v1(69.09,55.7) 69.09,56.04 v2(69.14,56.08) ; 89.22,61.99 v8(89.15,61.93) 89.08,61.99 ; 89.22,61.99 89.9,61.99 ; 89.22,61.99 89.08,61.99 ; 84.89,61.72 83.58,61.72 83.29,62.01 83.29,62.26 ; 84.89,61.72 v8(84.96,61.8) 85.04,61.72 ; 84.89,61.72 85.04,61.72 ; v8(83.69,61.84) 83.46,61.84 83.26,62.04 83.26,62.23 83.29,62.26 ; 92.71,58.93 92.71,58.93 v8(92.84,58.8) ; 92.71,58.93 92.71,58.32 ; 92.71,58.93 v8(92.71,60.38) v2(92.42,60.67) v2(91.91,61.18) v2(91.27,61.81) v2(90.7,62.38) 90.47,62.38 v8(90.3,62.56) v8(89.79,62.56) v8(89.03,62.56) v8(88.26,62.56) v8(87.5,62.56) v8(86.74,62.56) 86.39,62.56 86.35,62.52 ; v1(81.89,66.9) 81.89,66.89 v1(82.29,66.5) ; v4(75.49,56.9) 75.44,56.85 75.44,56.55 v1(75.49,56.5) 75.48,56.49 75.48,54.65 ; 69.19,56.26 68.85,56.26 v1(68.69,56.1) ; 69.19,56.26 69.21,56.26 v8(69.44,56.49) ; v3(87.76,61.85) 87.76,61.92 87.83,61.99 ; v2(80.4,62.5) 80.4,62.52 80.33,62.62 v8(80.37,62.81) ; 89.08,61.99 88.54,61.99 ; 88.54,61.99 v8(88.47,61.93) 88.4,61.99 ; 88.54,61.99 88.4,61.99 ; 85.67,61.72 86.26,61.72 86.53,61.99 86.63,61.99 ; 76.01,53.02 76.01,52.57 76.29,52.29 v2(76.29,52.21) 76.31,52.2 76.31,51.8 76.55,51.55 76.98,51.55 v2(77.63,50.9) ; 76.01,53.02 v8(76.07,53.09) 76.01,53.15 ; 76.01,53.02 76.01,53.15 ; v8(70.92,65.56) 70.91,65.56 v2(70.79,65.99) ; v2(69.14,56.08) 69.14,56.05 69.01,55.92 ; v2(69.14,56.08) 69.19,56.04 69.19,55.93 ; 92.03,59.18 91.95,59.18 v8(91.82,59.05) ; 92.03,59.18 92.03,59.97 91.96,60.05 v8(91.95,60.05) 91.95,60.15 90.71,61.39 ; 92.03,59.18 92.03,58.46 ; 78.56,62.43 78.84,62.15 78.84,62.1 ; v1(71.09,57.3) 71.2,57.19 71.78,57.19 v1(71.89,57.3) ; v1(84.63,71.38) 84.43,71.18 v2(84.43,71.12) v8(84.07,71.12) ; 90.71,61.39 90.56,61.54 90.39,61.54 89.94,61.99 89.9,61.99 ; 90.71,61.39 v8(90.55,61.39) ; 82.79,55.74 82.77,55.74 82.71,55.69 ; 79.3,62.93 79.3,62.99 79.35,63.04 v8(79.33,63.52) ; 79.3,62.93 v2(79.27,62.97) ; 79.3,62.93 79.3,62.98 79.33,63.01 v8(79.66,63.01) ; 83.29,62.26 83.41,62.38 ; v8(69.53,72.07) 69.53,72.2 v8(69.42,72.31) ; 92.71,58.32 92.71,56.77 v2(92.57,56.63) ; 92.71,58.32 v8(92.81,58.42) ; v1(91.93,55.7) 91.95,55.72 v2(91.95,56.01) 91.76,55.82 v8(91.7,55.82) ; v2(91.82,58.67) 92.03,58.46 ; 92.03,58.46 92.05,58.45 v8(92.07,58.45) 92.07,58.42 92.17,58.32 92.17,57.16 91.65,56.64 91.14,56.64 v2(91.13,56.64) ; 83.26,71.55 83.09,71.38 v1(83.09,71.3) ; v1(82.3,55.7) 82.32,55.67 ; 82.32,55.67 82.32,55.68 82.31,55.7 ; 82.32,55.67 82.45,55.54 82.45,55.47 ; v1(72.69,57.3) 72.69,57.25 73.05,56.9 v1(73.49,56.9) ; 89.9,61.99 v8(90.04,61.85) ; 79.99,62.6 80.03,62.38 v8(80.01,62.36) ; 86.63,61.99 v8(86.49,61.85) ; 86.63,61.99 87.23,61.99 ; v8(74.98,51.13) v2(74.98,50.8) ; 83.72,62.59 83.52,62.38 83.41,62.38 ; 83.72,62.59 83.58,62.59 83.57,62.57 ; v1(88.09,68.96) 88.01,68.96 87.38,68.96 v1(87.38,68.96) 87.34,68.92 86.25,68.92 86.12,69.06 v1(86.01,69.06) ; v7(81.09,55.7) v1(80.69,56.1) ; v1(67.89,56.1) 67.56,56.1 v2(67.51,56.06) 67.51,55.72 v1(67.49,55.7) ; 86.08,62.36 v8(86.23,62.51) 86.24,62.52 86.35,62.52 ; 86.08,62.36 86.19,62.36 86.35,62.52 ; 76.01,53.15 76.01,53.66 v8(76.07,53.72) 76.14,53.79 76.14,54.5 ; 75.48,54.57 v8(75.44,54.61) 75.48,54.65 ; 75.48,54.57 75.48,53.64 ; 75.48,54.57 75.48,54.65 ; 82.45,55.47 82.45,55.22 82.74,54.93 83.01,54.93 83.2,54.74 83.42,54.74 v2(83.56,54.6) v8(83.79,54.37) 84.34,54.37 v8(84.45,54.48) ; 82.45,55.47 82.67,55.69 82.71,55.69 ; 76.14,54.5 76.14,55.01 v8(76.07,55.07) 76.05,55.1 76.05,55.14 76.01,55.18 76.01,55.82 v1(76.29,56.1) v1(76.29,56.5) v1(75.89,56.9) ; 76.14,54.5 v8(76.07,54.43) ; 74.9,53.18 v8(74.9,53.21) 74.79,53.32 74.79,53.97 v8(74.9,54.09) 74.79,54.21 74.79,54.87 v8(74.9,54.99) 74.91,55 74.91,55.86 v1(74.68,56.09) ; v2(97.92,55.5) 98.07,55.5 98.19,55.38 ; v2(72.45,60.76) 72.31,60.89 72.31,61.11 72.34,61.14 72.34,61.79 72.31,61.81 72.31,61.87 ; 75.48,52.31 v8(75.34,52.45) 75.48,52.59 ; 75.48,52.31 75.48,51.8 77.03,50.25 ; 75.48,52.31 75.48,52.59 ; v6(84.2,55.5) 84,55.3 v7(83.89,55.3) v7(83.49,55.3) ; v4(90.68,67.18) v8(90.68,67.56) 89.9,68.34 84.74,68.34 84.04,67.63 v8(83.95,67.63) v8(83.55,67.63) 83.48,67.69 ; 79.89,62.35 79.84,62.35 79.84,62.3 79.77,62.3 79.49,62.02 79.43,62.02 ; v1(81.09,69.7) v1(81.09,70.1) 80.98,70.22 80.98,70.82 v2(80.85,70.94) ; v8(91.07,63.24) 91.31,63 v8(91.31,62.99) v8(91.69,62.61) v8(92.2,62.1) v8(92.58,61.72) v8(92.96,61.34) v8(93.47,60.83) 93.98,60.33 ; 83.23,63.39 83.23,63.25 ; 83.23,63.39 83.23,63.43 83.26,63.46 83.29,63.46 ; 83.23,63.39 83.29,63.46 ; 75.48,53.64 v8(75.44,53.59) 75.48,53.55 ; 75.48,53.64 75.48,53.55 ; 82.71,55.69 v2(82.79,55.69) ; v2(76.71,63.2) 76.77,63.22 v8(76.89,63.45) ; 72.44,62.03 72.57,62.03 72.57,62.02 ; v6(91.95,51.31) 91.95,51.19 91.73,50.98 91.73,50.86 91.72,50.85 v2(91.72,50.88) ; 88.4,61.99 87.83,61.99 ; 87.83,61.99 87.23,61.99 ; 75.48,52.59 75.51,52.62 75.51,53.52 75.48,53.55 ; 75.01,57.58 75.06,57.63 75.42,57.63 v1(75.49,57.7) ; v8(77.77,61.9) 77.75,61.93 v2(77.47,61.93) ; v1(70.29,56.48) 70.11,56.3 70.11,55.85 69.85,55.59 69.85,55.42 ; v1(78.69,70.1) 78.59,70 78.59,69.78 78.57,69.77 78.57,69.42 v8(78.69,69.3) ; v2(68.31,56.02) 68.27,56.02 68.17,55.93 68.17,55.73 68.2,55.7 v7(68.29,55.7) ; 83.23,63.25 83.49,62.99 v8(84.07,62.99) ; 83.23,63.25 83.23,63.21 83.36,63.07 83.36,63.07 83.39,63.05 84,63.05 84.07,63.12 ; 83.57,62.57 v1(83.49,62.5) 83.49,62.46 ; 83.57,62.57 83.6,62.57 83.49,62.46 ; 83.49,62.46 83.41,62.38 ; v8(83.69,61.8) 83.49,61.8 82.86,62.43 ; v8(81.31,61.9) 81.26,61.91 v2(80.9,62.48) ; 85.57,57.88 85.67,57.88 v8(85.72,57.94) ; 87.23,61.99 v8(87.3,61.93) ; 83.47,59.26 83.11,58.9 ; v1(79.22,67.26) 79.55,67.26 v4(80.04,67.74) 80.04,67.82 79.89,67.96 v1(79.89,68.1) ; 83.29,63.46 83.39,63.55 ; 66.55,54.86 66.67,54.99 v8(66.8,54.99) ; 83.97,70.3 84.04,70.36 v8(84.07,70.36)